# Altium PCB DL-5新款球锁 - 拼板-20201231.PcbDoc (part 5 of 9) (continued)
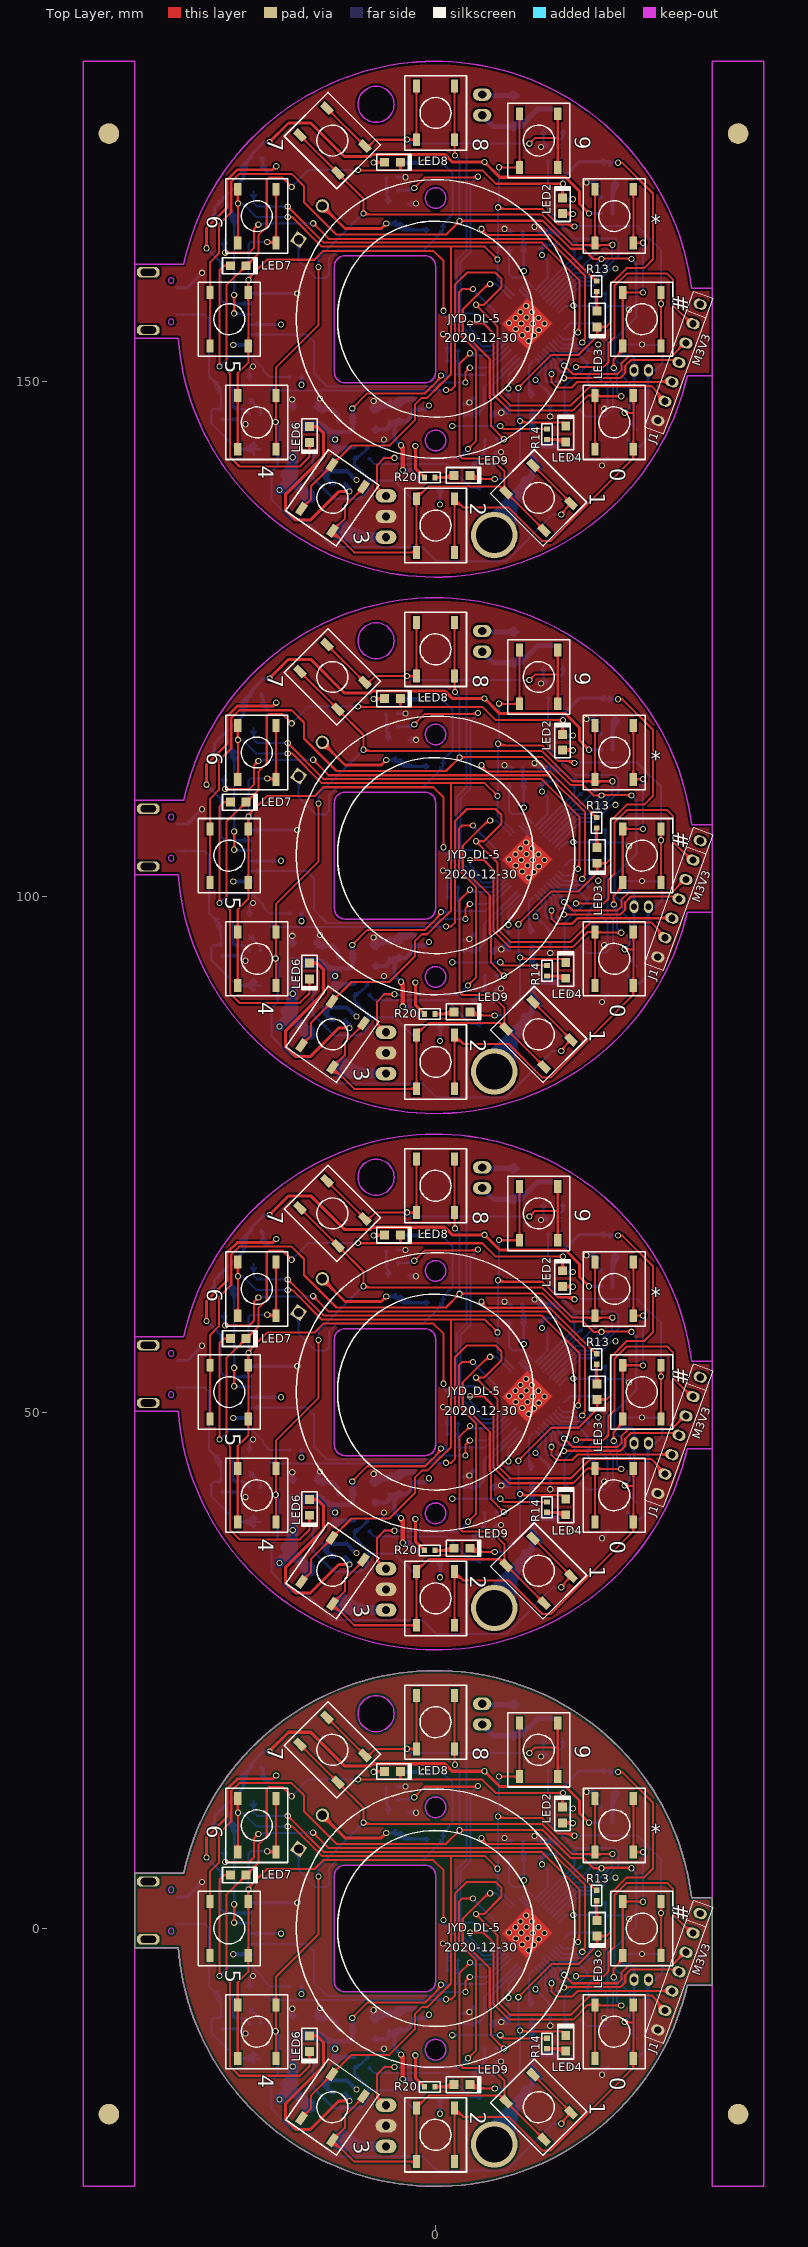
[diagram p0: Top Layer view]
## Nets (pads, with @x,y where several pads share a name; then routed paths per layer and width w, separated by ;. In a path a pad name is that pad's centre, name@x,y a point inside that pad or via, vN(x,y) a via of type N, cw(c..) or ccw(c..) an arc to the next point about the centre after c; other vN are vias at no path point) (continued)
  Bottom Layer w0.4: v2(-19.613,-2.5) J3.1@-17.904,-2.5 ; v2(-19.613,49.5) J3.1@-17.904,49.5 ; v2(-19.613,101.5) J3.1@-17.904,101.5 ; v2(-19.613,153.5) J3.1@-17.904,153.5 ; U3.2@-5.999,-10.704 -4.778,-10.704 C4.1@-3.967,-9.892 ; U3.2@-5.999,41.296 -4.778,41.296 C4.1@-3.967,42.108 ; U3.2@-5.999,93.296 -4.778,93.296 C4.1@-3.967,94.108 ; U3.2@-5.999,145.296 -4.778,145.296 C4.1@-3.967,146.108 ; U3.2@-5.817,-10.885 cw(c-5.378,-11.325) -5.378,-10.704 cw(c-5.378,-10.083) U3.2@-5.817,-10.522 ; U3.2@-5.817,41.115 cw(c-5.378,40.675) -5.378,41.296 cw(c-5.378,41.917) U3.2@-5.817,41.478 ; U3.2@-5.817,93.115 cw(c-5.378,92.675) -5.378,93.296 cw(c-5.378,93.917) U3.2@-5.817,93.478 ; U3.2@-5.817,145.115 cw(c-5.378,144.675) -5.378,145.296 cw(c-5.378,145.917) U3.2@-5.817,145.478 ; -4.778,-10.704 ccw(c-5.51,-9.972) C4.1@-4.477,-9.91 ; -4.778,41.296 ccw(c-5.51,42.028) C4.1@-4.477,42.09 ; -4.778,93.296 ccw(c-5.51,94.028) C4.1@-4.477,94.09 ; -4.778,145.296 ccw(c-5.51,146.028) C4.1@-4.477,146.09 ; C4.1@-4.185,-10.11 cw(c-4.71,-10.636) -3.967,-10.636 cw(c-3.223,-10.636) C4.1@-3.749,-10.11 ; C4.1@-4.185,41.89 cw(c-4.71,41.364) -3.967,41.364 cw(c-3.223,41.364) C4.1@-3.749,41.89 ; C4.1@-4.185,93.89 cw(c-4.71,93.364) -3.967,93.364 cw(c-3.223,93.364) C4.1@-3.749,93.89 ; C4.1@-4.185,145.89 cw(c-4.71,145.364) -3.967,145.364 cw(c-3.223,145.364) C4.1@-3.749,145.89 ; C4.1@-3.546,-10.11 cw(c-3.02,-10.636) -3.02,-9.892 cw(c-3.02,-9.148) C4.1@-3.546,-9.674 ; C4.1@-3.546,41.89 cw(c-3.02,41.364) -3.02,42.108 cw(c-3.02,42.852) C4.1@-3.546,42.326 ; C4.1@-3.546,93.89 cw(c-3.02,93.364) -3.02,94.108 cw(c-3.02,94.852) C4.1@-3.546,94.326 ; C4.1@-3.546,145.89 cw(c-3.02,145.364) -3.02,146.108 cw(c-3.02,146.852) C4.1@-3.546,146.326 ; v2(-3.357,-12.217) -3.967,-11.608 C4.1@-3.967,-9.892 ; v2(-3.357,39.783) -3.967,40.392 C4.1@-3.967,42.108 ; v2(-3.357,91.783) -3.967,92.392 C4.1@-3.967,94.108 ; v2(-3.357,143.783) -3.967,144.392 C4.1@-3.967,146.108 ; v2(-3.179,-14.605) -2.483,-14.605 Q2.S@-1.579,-15.509 ; v2(-3.179,37.395) -2.483,37.395 Q2.S@-1.579,36.491 ; v2(-3.179,89.395) -2.483,89.395 Q2.S@-1.579,88.491 ; v2(-3.179,141.395) -2.483,141.395 Q2.S@-1.579,140.491 ; -2.528,-9.61 ccw(c-3.401,-8.738) C5.1@-2.167,-8.738 ; -2.528,42.39 ccw(c-3.401,43.262) C5.1@-2.167,43.262 ; -2.528,94.39 ccw(c-3.401,95.262) C5.1@-2.167,95.262 ; -2.528,146.39 ccw(c-3.401,147.262) C5.1@-2.167,147.262 ; Q2.S@-1.836,-15.509 ccw(c-2.457,-15.509) -2.018,-15.07 ccw(c-1.579,-14.631) Q2.S@-1.579,-15.252 ; Q2.S@-1.836,36.491 ccw(c-2.457,36.491) -2.018,36.93 ccw(c-1.579,37.369) Q2.S@-1.579,36.748 ; Q2.S@-1.836,88.491 ccw(c-2.457,88.491) -2.018,88.93 ccw(c-1.579,89.369) Q2.S@-1.579,88.748 ; Q2.S@-1.836,140.491 ccw(c-2.457,140.491) -2.018,140.93 ccw(c-1.579,141.369) Q2.S@-1.579,140.748 ; v1(-0.639,-8.357) -1.02,-8.738 C5.1@-2.087,-8.738 -2.087,-9.169 -2.81,-9.892 C4.1@-3.967,-9.892 ; v1(-0.639,43.643) -1.02,43.262 C5.1@-2.087,43.262 -2.087,42.831 -2.81,42.108 C4.1@-3.967,42.108 ; v1(-0.639,95.643) -1.02,95.262 C5.1@-2.087,95.262 -2.087,94.831 -2.81,94.108 C4.1@-3.967,94.108 ; v1(-0.639,147.643) -1.02,147.262 C5.1@-2.087,147.262 -2.087,146.831 -2.81,146.108 C4.1@-3.967,146.108
NetBZ1_1: BZ1.1 C7.2 R47.1 | length 129.6
  Bottom Layer w0.2: BZ1.1@-13.621,7.355 cw(c-14.474,6.502) -13.267,6.502 cw(c-12.06,6.502) BZ1.1@-12.914,7.355 ; BZ1.1@-13.621,59.355 cw(c-14.474,58.502) -13.267,58.502 cw(c-12.06,58.502) BZ1.1@-12.914,59.355 ; BZ1.1@-13.621,111.355 cw(c-14.474,110.502) -13.267,110.502 cw(c-12.06,110.502) BZ1.1@-12.914,111.355 ; BZ1.1@-13.621,163.355 cw(c-14.474,162.502) -13.267,162.502 cw(c-12.06,162.502) BZ1.1@-12.914,163.355 ; BZ1.1@-13.479,7.497 cw(c-13.992,6.985) -13.267,6.985 cw(c-12.543,6.985) BZ1.1@-13.055,7.497 ; BZ1.1@-13.479,59.497 cw(c-13.992,58.985) -13.267,58.985 cw(c-12.543,58.985) BZ1.1@-13.055,59.497 ; BZ1.1@-13.479,111.497 cw(c-13.992,110.985) -13.267,110.985 cw(c-12.543,110.985) BZ1.1@-13.055,111.497 ; BZ1.1@-13.479,163.497 cw(c-13.992,162.985) -13.267,162.985 cw(c-12.543,162.985) BZ1.1@-13.055,163.497 ; BZ1.1@-13.267,7.709 -13.267,5.668 -11.612,4.013 -10.647,4.013 -10.317,4.343 -10.317,5.867 -9.529,6.655 -1.189,6.655 0.681,8.526 C7.2@0.681,8.661 ; BZ1.1@-13.267,59.709 -13.267,57.668 -11.612,56.013 -10.647,56.013 -10.317,56.343 -10.317,57.867 -9.529,58.655 -1.189,58.655 0.681,60.526 C7.2@0.681,60.661 ; BZ1.1@-13.267,111.709 -13.267,109.668 -11.612,108.013 -10.647,108.013 -10.317,108.343 -10.317,109.867 -9.529,110.655 -1.189,110.655 0.681,112.526 C7.2@0.681,112.661 ; BZ1.1@-13.267,163.709 -13.267,161.668 -11.612,160.013 -10.647,160.013 -10.317,160.343 -10.317,161.867 -9.529,162.655 -1.189,162.655 0.681,164.526 C7.2@0.681,164.661 ; 0.195,8.039 ccw(c-0.377,8.611) C7.2@0.432,8.611 ; 0.195,60.039 ccw(c-0.377,60.611) C7.2@0.432,60.611 ; 0.195,112.039 ccw(c-0.377,112.611) C7.2@0.432,112.611 ; 0.195,164.039 ccw(c-0.377,164.611) C7.2@0.432,164.611 ; 0.28,8.124 cw(c0.732,7.672) C7.2@0.732,8.311 ; 0.28,60.124 cw(c0.732,59.672) C7.2@0.732,60.311 ; 0.28,112.124 cw(c0.732,111.672) C7.2@0.732,112.311 ; 0.28,164.124 cw(c0.732,163.672) C7.2@0.732,164.311 ; C7.2@0.566,8.961 ccw(c0.36,9.271) 0.732,9.271 ; C7.2@0.566,60.961 ccw(c0.36,61.271) 0.732,61.271 ; C7.2@0.566,112.961 ccw(c0.36,113.271) 0.732,113.271 ; C7.2@0.566,164.961 ccw(c0.36,165.271) 0.732,165.271 ; R47.1@0.605,15.01 cw(c0.605,14.577) 0.912,14.883 ; R47.1@0.605,15.189 1.647,14.148 1.647,10.185 0.732,9.271 ; R47.1@0.605,67.01 cw(c0.605,66.577) 0.912,66.883 ; R47.1@0.605,67.189 1.647,66.148 1.647,62.185 0.732,61.271 ; R47.1@0.605,119.01 cw(c0.605,118.577) 0.912,118.883 ; R47.1@0.605,119.189 1.647,118.148 1.647,114.185 0.732,113.271 ; R47.1@0.605,171.01 cw(c0.605,170.577) 0.912,170.883 ; R47.1@0.605,171.189 1.647,170.148 1.647,166.185 0.732,165.271 ; C7.2@0.732,8.661 0.732,9.271 ; C7.2@0.732,60.661 0.732,61.271 ; C7.2@0.732,112.661 0.732,113.271 ; C7.2@0.732,164.661 0.732,165.271 ; R47.1@0.759,15.164 ccw(c1.07,15.164) R47.1@0.85,14.944 ; R47.1@0.759,67.164 ccw(c1.07,67.164) R47.1@0.85,66.944 ; R47.1@0.759,119.164 ccw(c1.07,119.164) R47.1@0.85,118.944 ; R47.1@0.759,171.164 ccw(c1.07,171.164) R47.1@0.85,170.944 ; C7.2@0.898,8.961 cw(c1.104,9.271) 0.732,9.271 ; C7.2@0.898,60.961 cw(c1.104,61.271) 0.732,61.271 ; C7.2@0.898,112.961 cw(c1.104,113.271) 0.732,113.271 ; C7.2@0.898,164.961 cw(c1.104,165.271) 0.732,165.271
NetBZ1_2: BZ1.2 C7.1 T1.3 | length 82.7
  Top Layer w0.3: BZ1.2@-10.973,10.486 cw(c-10.973,9.278) -10.119,10.132 cw(c-9.266,10.986) BZ1.2@-10.473,10.986 ; BZ1.2@-10.973,10.986 -8.776,8.788 -5.262,8.788 v1(-4.78,9.271) ; BZ1.2@-10.973,62.486 cw(c-10.973,61.278) -10.119,62.132 cw(c-9.266,62.986) BZ1.2@-10.473,62.986 ; BZ1.2@-10.973,62.986 -8.776,60.788 -5.262,60.788 v1(-4.78,61.271) ; BZ1.2@-10.973,114.486 cw(c-10.973,113.278) -10.119,114.132 cw(c-9.266,114.986) BZ1.2@-10.473,114.986 ; BZ1.2@-10.973,114.986 -8.776,112.788 -5.262,112.788 v1(-4.78,113.271) ; BZ1.2@-10.973,166.486 cw(c-10.973,165.278) -10.119,166.132 cw(c-9.266,166.986) BZ1.2@-10.473,166.986 ; BZ1.2@-10.973,166.986 -8.776,164.788 -5.262,164.788 v1(-4.78,165.271) ; v1@-4.93,9.271 cw(c-5.292,9.271) -5.036,9.015 cw(c-4.78,8.759) v1@-4.78,9.121 ; v1@-4.93,61.271 cw(c-5.292,61.271) -5.036,61.015 cw(c-4.78,60.759) v1@-4.78,61.121 ; v1@-4.93,113.271 cw(c-5.292,113.271) -5.036,113.015 cw(c-4.78,112.759) v1@-4.78,113.121 ; v1@-4.93,165.271 cw(c-5.292,165.271) -5.036,165.015 cw(c-4.78,164.759) v1@-4.78,165.121
  Bottom Layer w0.3: v1(-4.78,9.271) -3.713,9.271 T1.3@-3.637,9.195 -3.103,8.661 ; v1(-4.78,61.271) -3.713,61.271 T1.3@-3.637,61.195 -3.103,60.661 ; v1(-4.78,113.271) -3.713,113.271 T1.3@-3.637,113.195 -3.103,112.661 ; v1(-4.78,165.271) -3.713,165.271 T1.3@-3.637,165.195 -3.103,164.661 ; v1@-4.673,9.165 cw(c-4.417,8.909) -4.417,9.271 cw(c-4.417,9.633) v1@-4.673,9.377 ; v1@-4.673,61.165 cw(c-4.417,60.909) -4.417,61.271 cw(c-4.417,61.633) v1@-4.673,61.377 ; v1@-4.673,113.165 cw(c-4.417,112.909) -4.417,113.271 cw(c-4.417,113.633) v1@-4.673,113.377 ; v1@-4.673,165.165 cw(c-4.417,164.909) -4.417,165.271 cw(c-4.417,165.633) v1@-4.673,165.377 ; -4.418,9.271 ccw(c-4.418,10.069) T1.3@-3.854,9.505 ; -4.418,61.271 ccw(c-4.418,62.069) T1.3@-3.854,61.505 ; -4.418,113.271 ccw(c-4.418,114.069) T1.3@-3.854,113.505 ; -4.418,165.271 ccw(c-4.418,166.069) T1.3@-3.854,165.505 ; -4.338,9.271 cw(c-4.338,8.586) T1.3@-3.854,9.07 ; -4.338,61.271 cw(c-4.338,60.586) T1.3@-3.854,61.07 ; -4.338,113.271 cw(c-4.338,112.586) T1.3@-3.854,113.07 ; -4.338,165.271 cw(c-4.338,164.586) T1.3@-3.854,165.07 ; T1.3@-3.631,9.107 ccw(c-2.555,10.183) -2.555,8.661 ; T1.3@-3.631,61.107 ccw(c-2.555,62.183) -2.555,60.661 ; T1.3@-3.631,113.107 ccw(c-2.555,114.183) -2.555,112.661 ; T1.3@-3.631,165.107 ccw(c-2.555,166.183) -2.555,164.661 ; T1.3@-3.573,8.801 cw(c-3.468,8.297) -3.103,8.661 ; T1.3@-3.573,60.801 cw(c-3.468,60.297) -3.103,60.661 ; T1.3@-3.573,112.801 cw(c-3.468,112.297) -3.103,112.661 ; T1.3@-3.573,164.801 cw(c-3.468,164.297) -3.103,164.661 ; T1.3@-3.419,9.319 ccw(c-1.831,10.907) -1.831,8.661 ; T1.3@-3.419,61.319 ccw(c-1.831,62.907) -1.831,60.661 ; T1.3@-3.419,113.319 ccw(c-1.831,114.907) -1.831,112.661 ; T1.3@-3.419,165.319 ccw(c-1.831,166.907) -1.831,164.661 ; T1.3@-3.329,9.102 ccw(c-2.812,9.102) -3.178,8.736 ; T1.3@-3.329,61.102 ccw(c-2.812,61.102) -3.178,60.736 ; T1.3@-3.329,113.102 ccw(c-2.812,113.102) -3.178,112.736 ; T1.3@-3.329,165.102 ccw(c-2.812,165.102) -3.178,164.736 ; C7.1@-0.867,8.485 ccw(c-1.294,8.058) -1.294,8.661 ccw(c-1.294,9.265) C7.1@-0.867,8.838 ; C7.1@-0.867,60.485 ccw(c-1.294,60.058) -1.294,60.661 ccw(c-1.294,61.265) C7.1@-0.867,60.838 ; C7.1@-0.867,112.485 ccw(c-1.294,112.058) -1.294,112.661 ccw(c-1.294,113.265) C7.1@-0.867,112.838 ; C7.1@-0.867,164.485 ccw(c-1.294,164.058) -1.294,164.661 ccw(c-1.294,165.265) C7.1@-0.867,164.838 ; C7.1@-0.69,8.661 -3.103,8.661 ; C7.1@-0.69,60.661 -3.103,60.661 ; C7.1@-0.69,112.661 -3.103,112.661 ; C7.1@-0.69,164.661 -3.103,164.661
NetC1_1: C1.1 U1.37 | length 14.9
  Bottom Layer w0.2: U1.37@12.517,-0.952 13.063,-0.406 C1.1@15.439,-0.406 ; U1.37@12.517,51.048 13.063,51.594 C1.1@15.439,51.594 ; U1.37@12.517,103.048 13.063,103.594 C1.1@15.439,103.594 ; U1.37@12.517,155.048 13.063,155.594 C1.1@15.439,155.594 ; C1.1@15.33,-0.515 ccw(c15.067,-0.778) 15.067,-0.406 ccw(c15.067,-0.035) C1.1@15.33,-0.298 ; C1.1@15.33,51.485 ccw(c15.067,51.222) 15.067,51.594 ccw(c15.067,51.965) C1.1@15.33,51.702 ; C1.1@15.33,103.485 ccw(c15.067,103.222) 15.067,103.594 ccw(c15.067,103.965) C1.1@15.33,103.702 ; C1.1@15.33,155.485 ccw(c15.067,155.222) 15.067,155.594 ccw(c15.067,155.965) C1.1@15.33,155.702
NetC20_2: C20.2 RW2.2 RW3.2 | length 27.8
  Bottom Layer w0.2: C20.2@-19.851,-6.739 cw(c-20.363,-7.251) -19.639,-7.251 cw(c-18.914,-7.251) C20.2@-19.426,-6.739 ; C20.2@-19.851,45.261 cw(c-20.363,44.749) -19.639,44.749 cw(c-18.914,44.749) C20.2@-19.426,45.261 ; C20.2@-19.851,97.261 cw(c-20.363,96.749) -19.639,96.749 cw(c-18.914,96.749) C20.2@-19.426,97.261 ; C20.2@-19.851,149.261 cw(c-20.363,148.749) -19.639,148.749 cw(c-18.914,148.749) C20.2@-19.426,149.261 ; -19.639,-8.008 ccw(c-18.833,-8.008) RW2.2@-19.403,-8.578 ; C20.2@-19.639,-6.477 -19.639,-8.534 RW2.2@-19.486,-8.687 -18.572,-8.687 RW3.2@-17.988,-9.271 ; -19.639,43.992 ccw(c-18.833,43.992) RW2.2@-19.403,43.422 ; C20.2@-19.639,45.523 -19.639,43.466 RW2.2@-19.486,43.313 -18.572,43.313 RW3.2@-17.988,42.729 ; -19.639,95.992 ccw(c-18.833,95.992) RW2.2@-19.403,95.422 ; C20.2@-19.639,97.523 -19.639,95.466 RW2.2@-19.486,95.313 -18.572,95.313 RW3.2@-17.988,94.729 ; -19.639,147.992 ccw(c-18.833,147.992) RW2.2@-19.403,147.422 ; C20.2@-19.639,149.523 -19.639,147.466 RW2.2@-19.486,147.313 -18.572,147.313 RW3.2@-17.988,146.729 ; RW2.2@-19.352,-8.796 cw(c-19.089,-9.059) -19.089,-8.687 cw(c-19.089,-8.315) RW2.2@-19.352,-8.578 ; RW2.2@-19.352,43.204 cw(c-19.089,42.941) -19.089,43.313 cw(c-19.089,43.685) RW2.2@-19.352,43.422 ; RW2.2@-19.352,95.204 cw(c-19.089,94.941) -19.089,95.313 cw(c-19.089,95.685) RW2.2@-19.352,95.422 ; RW2.2@-19.352,147.204 cw(c-19.089,146.941) -19.089,147.313 cw(c-19.089,147.685) RW2.2@-19.352,147.422 ; -18.294,-8.965 ccw(c-17.988,-8.658) RW3.2@-17.988,-9.092 ; -18.294,43.035 ccw(c-17.988,43.342) RW3.2@-17.988,42.908 ; -18.294,95.035 ccw(c-17.988,95.342) RW3.2@-17.988,94.908 ; -18.294,147.035 ccw(c-17.988,147.342) RW3.2@-17.988,146.908 ; RW3.2@-18.232,-9.026 cw(c-18.452,-9.246) RW3.2@-18.142,-9.246 ; RW3.2@-18.232,42.974 cw(c-18.452,42.754) RW3.2@-18.142,42.754 ; RW3.2@-18.232,94.974 cw(c-18.452,94.754) RW3.2@-18.142,94.754 ; RW3.2@-18.232,146.974 cw(c-18.452,146.754) RW3.2@-18.142,146.754
NetC30_1: C30.1 L2.1 | length 7.4
  Bottom Layer w0.6: C30.1@9.368,-10.77 L2.1@9.368,-8.915 ; C30.1@9.368,41.23 L2.1@9.368,43.085 ; C30.1@9.368,93.23 L2.1@9.368,95.085 ; C30.1@9.368,145.23 L2.1@9.368,147.085
NetC34_1: C34.1 U1.29 | length 29.3
  Bottom Layer w0.2: U1.29@10.537,2.018 13.549,5.029 14.169,5.029 15.493,6.354 C34.1@15.493,6.448 ; U1.29@10.537,54.018 13.549,57.029 14.169,57.029 15.493,58.354 C34.1@15.493,58.448 ; U1.29@10.537,106.018 13.549,109.029 14.169,109.029 15.493,110.354 C34.1@15.493,110.448 ; U1.29@10.537,158.018 13.549,161.029 14.169,161.029 15.493,162.354 C34.1@15.493,162.448 ; 15.146,6.006 ccw(c14.722,6.43) C34.1@15.321,6.43 ; 15.146,58.006 ccw(c14.722,58.43) C34.1@15.321,58.43 ; 15.146,110.006 ccw(c14.722,110.43) C34.1@15.321,110.43 ; 15.146,162.006 ccw(c14.722,162.43) C34.1@15.321,162.43
NetC37_1: C37.1 U1.28 | length 24.2
  Bottom Layer w0.2: U1.28@10.255,2.301 14.021,6.067 C37.1@14.172,6.067 ; U1.28@10.255,54.301 14.021,58.067 C37.1@14.172,58.067 ; U1.28@10.255,106.301 14.021,110.067 C37.1@14.172,110.067 ; U1.28@10.255,158.301 14.021,162.067 C37.1@14.172,162.067 ; 13.633,5.679 cw(c14.155,5.158) C37.1@14.155,5.895 ; 13.633,57.679 cw(c14.155,57.158) C37.1@14.155,57.895 ; 13.633,109.679 cw(c14.155,109.158) C37.1@14.155,109.895 ; 13.633,161.679 cw(c14.155,161.158) C37.1@14.155,161.895
NetC37_2: C37.2 U1.27 | length 24.9
  Bottom Layer w0.2: U1.27@9.972,2.583 13.454,6.066 C37.2@13.454,6.785 ; U1.27@9.972,54.583 13.454,58.066 C37.2@13.454,58.785 ; U1.27@9.972,106.583 13.454,110.066 C37.2@13.454,110.785 ; U1.27@9.972,158.583 13.454,162.066 C37.2@13.454,162.785 ; C37.2@13.327,6.659 cw(c13.021,6.352) 13.454,6.352 ; C37.2@13.327,58.659 cw(c13.021,58.352) 13.454,58.352 ; C37.2@13.327,110.659 cw(c13.021,110.352) 13.454,110.352 ; C37.2@13.327,162.659 cw(c13.021,162.352) 13.454,162.352 ; C37.2@13.454,6.439 cw(c13.765,6.439) C37.2@13.545,6.659 ; C37.2@13.454,58.439 cw(c13.765,58.439) C37.2@13.545,58.659 ; C37.2@13.454,110.439 cw(c13.765,110.439) C37.2@13.545,110.659 ; C37.2@13.454,162.439 cw(c13.765,162.439) C37.2@13.545,162.659
NetC38_2: C38.2 U1.3 X1.3 | length 46.6
  Bottom Layer w0.2: C38.2@2.561,-9.246 4.006,-9.246 4.72,-8.531 4.72,-6.628 U1.3@7.85,-3.498 ; C38.2@2.561,42.754 4.006,42.754 4.72,43.469 4.72,45.372 U1.3@7.85,48.502 ; C38.2@2.561,94.754 4.006,94.754 4.72,95.469 4.72,97.372 U1.3@7.85,100.502 ; C38.2@2.561,146.754 4.006,146.754 4.72,147.469 4.72,149.372 U1.3@7.85,152.502 ; C38.2@2.695,-9.354 cw(c2.958,-9.617) 2.958,-9.246 cw(c2.958,-8.874) C38.2@2.695,-9.137 ; C38.2@2.695,42.646 cw(c2.958,42.383) 2.958,42.754 cw(c2.958,43.126) C38.2@2.695,42.863 ; C38.2@2.695,94.646 cw(c2.958,94.383) 2.958,94.754 cw(c2.958,95.126) C38.2@2.695,94.863 ; C38.2@2.695,146.646 cw(c2.958,146.383) 2.958,146.754 cw(c2.958,147.126) C38.2@2.695,146.863 ; 3.194,-9.246 cw(c3.194,-10.007) X1.3@3.733,-9.469 ; 3.194,42.754 cw(c3.194,41.993) X1.3@3.733,42.531 ; 3.194,94.754 cw(c3.194,93.993) X1.3@3.733,94.531 ; 3.194,146.754 cw(c3.194,145.993) X1.3@3.733,146.531 ; 3.247,-9.246 ccw(c3.247,-8.559) X1.3@3.733,-9.044 ; 3.247,42.754 ccw(c3.247,43.441) X1.3@3.733,42.956 ; 3.247,94.754 ccw(c3.247,95.441) X1.3@3.733,94.956 ; 3.247,146.754 ccw(c3.247,147.441) X1.3@3.733,146.956 ; X1.3@3.945,-8.957 ccw(c3.945,-8.112) 4.542,-8.709 ; X1.3@3.945,43.043 ccw(c3.945,43.888) 4.542,43.291 ; X1.3@3.945,95.043 ccw(c3.945,95.888) 4.542,95.291 ; X1.3@3.945,147.043 ccw(c3.945,147.888) 4.542,147.291 ; X1.3@4.245,-9.257 cw(c4.848,-9.257) 4.421,-8.83 ; X1.3@4.245,42.743 cw(c4.848,42.743) 4.421,43.17 ; X1.3@4.245,94.743 cw(c4.848,94.743) 4.421,95.17 ; X1.3@4.245,146.743 cw(c4.848,146.743) 4.421,147.17
NetC43_1: C43.1 UB1.1 Y2.2 | length 48
  Bottom Layer w0.254: C43.1@17.928,-3.48 18.969,-3.48 19.246,-3.756 Y2.2@19.246,-4.953 19.246,-10.485 UB1.1@19.463,-10.702 ; C43.1@17.928,48.52 18.969,48.52 19.246,48.244 Y2.2@19.246,47.047 19.246,41.515 UB1.1@19.463,41.298 ; C43.1@17.928,100.52 18.969,100.52 19.246,100.244 Y2.2@19.246,99.047 19.246,93.515 UB1.1@19.463,93.298 ; C43.1@17.928,152.52 18.969,152.52 19.246,152.244 Y2.2@19.246,151.047 19.246,145.515 UB1.1@19.463,145.298 ; C43.1@18.043,-3.57 cw(c18.26,-3.786) 18.26,-3.48 cw(c18.26,-3.173) C43.1@18.043,-3.39 ; C43.1@18.043,48.43 cw(c18.26,48.214) 18.26,48.52 cw(c18.26,48.827) C43.1@18.043,48.61 ; C43.1@18.043,100.43 cw(c18.26,100.214) 18.26,100.52 cw(c18.26,100.827) C43.1@18.043,100.61 ; C43.1@18.043,152.43 cw(c18.26,152.214) 18.26,152.52 cw(c18.26,152.827) C43.1@18.043,152.61 ; Y2.2@19.017,-5.331 cw(c18.466,-5.883) 19.246,-5.883 cw(c20.026,-5.883) Y2.2@19.474,-5.331 ; Y2.2@19.017,-4.575 ccw(c18.466,-4.023) 19.246,-4.023 ccw(c20.026,-4.023) Y2.2@19.474,-4.575 ; Y2.2@19.017,46.669 cw(c18.466,46.117) 19.246,46.117 cw(c20.026,46.117) Y2.2@19.474,46.669 ; Y2.2@19.017,47.425 ccw(c18.466,47.977) 19.246,47.977 ccw(c20.026,47.977) Y2.2@19.474,47.425 ; Y2.2@19.017,98.669 cw(c18.466,98.117) 19.246,98.117 cw(c20.026,98.117) Y2.2@19.474,98.669 ; Y2.2@19.017,99.425 ccw(c18.466,99.977) 19.246,99.977 ccw(c20.026,99.977) Y2.2@19.474,99.425 ; Y2.2@19.017,150.669 cw(c18.466,150.117) 19.246,150.117 cw(c20.026,150.117) Y2.2@19.474,150.669 ; Y2.2@19.017,151.425 ccw(c18.466,151.977) 19.246,151.977 ccw(c20.026,151.977) Y2.2@19.474,151.425 ; UB1.1@19.022,-10.262 ccw(c18.482,-9.721) 19.246,-9.721 ; UB1.1@19.022,41.738 ccw(c18.482,42.279) 19.246,42.279 ; UB1.1@19.022,93.738 ccw(c18.482,94.279) 19.246,94.279 ; UB1.1@19.022,145.738 ccw(c18.482,146.279) 19.246,146.279
NetC45_2: C45.2 UB1.2 Y2.1 | length 60.9
  Bottom Layer w0.254: UB1.2@18.565,-11.6 19.309,-12.344 19.833,-12.344 20.824,-11.354 20.824,-10.35 20.589,-10.115 20.589,-5.01 Y2.1@20.646,-4.953 21.306,-4.953 ; UB1.2@18.565,40.4 19.309,39.656 19.833,39.656 20.824,40.646 20.824,41.65 20.589,41.885 20.589,46.99 Y2.1@20.646,47.047 21.306,47.047 ; UB1.2@18.565,92.4 19.309,91.656 19.833,91.656 20.824,92.646 20.824,93.65 20.589,93.885 20.589,98.99 Y2.1@20.646,99.047 21.306,99.047 ; UB1.2@18.565,144.4 19.309,143.656 19.833,143.656 20.824,144.646 20.824,145.65 20.589,145.885 20.589,150.99 Y2.1@20.646,151.047 21.306,151.047 ; UB1.2@18.883,-12.091 cw(c18.883,-12.509) 19.178,-12.214 cw(c19.473,-11.918) UB1.2@19.056,-11.918 ; UB1.2@18.883,39.909 cw(c18.883,39.491) 19.178,39.786 cw(c19.473,40.082) UB1.2@19.056,40.082 ; UB1.2@18.883,91.909 cw(c18.883,91.491) 19.178,91.786 cw(c19.473,92.082) UB1.2@19.056,92.082 ; UB1.2@18.883,143.909 cw(c18.883,143.491) 19.178,143.786 cw(c19.473,144.082) UB1.2@19.056,144.082 ; Y2.1@20.417,-5.331 cw(c20.004,-5.745) 20.589,-5.745 ; Y2.1@20.417,46.669 cw(c20.004,46.255) 20.589,46.255 ; Y2.1@20.417,98.669 cw(c20.004,98.255) 20.589,98.255 ; Y2.1@20.417,150.669 cw(c20.004,150.255) 20.589,150.255 ; 20.589,-6.02 cw(c21.563,-6.02) Y2.1@20.874,-5.331 ; 20.589,45.98 cw(c21.563,45.98) Y2.1@20.874,46.669 ; 20.589,97.98 cw(c21.563,97.98) Y2.1@20.874,98.669 ; 20.589,149.98 cw(c21.563,149.98) Y2.1@20.874,150.669 ; Y2.1@20.901,-5.151 cw(c21.306,-5.467) 21.306,-4.953 ; Y2.1@20.901,-4.755 ccw(c21.306,-4.439) 21.306,-4.953 ; Y2.1@20.901,46.849 cw(c21.306,46.533) 21.306,47.047 ; Y2.1@20.901,47.245 ccw(c21.306,47.561) 21.306,47.047 ; Y2.1@20.901,98.849 cw(c21.306,98.533) 21.306,99.047 ; Y2.1@20.901,99.245 ccw(c21.306,99.561) 21.306,99.047 ; Y2.1@20.901,150.849 cw(c21.306,150.533) 21.306,151.047 ; Y2.1@20.901,151.245 ccw(c21.306,151.561) 21.306,151.047 ; C45.2@21.902,-3.57 cw(c21.685,-3.786) 21.992,-3.786 cw(c22.299,-3.786) C45.2@22.082,-3.57 ; C45.2@21.902,48.43 cw(c21.685,48.214) 21.992,48.214 cw(c22.299,48.214) C45.2@22.082,48.43 ; C45.2@21.902,100.43 cw(c21.685,100.214) 21.992,100.214 cw(c22.299,100.214) C45.2@22.082,100.43 ; C45.2@21.902,152.43 cw(c21.685,152.214) 21.992,152.214 cw(c22.299,152.214) C45.2@22.082,152.43 ; C45.2@21.992,-3.48 21.992,-4.267 21.306,-4.953 ; C45.2@21.992,48.52 21.992,47.733 21.306,47.047 ; C45.2@21.992,100.52 21.992,99.733 21.306,99.047 ; C45.2@21.992,152.52 21.992,151.733 21.306,151.047
NetD1_1: D1.1 P3.1 | length 36.1
  Bottom Layer w1: D1.1@-9.662,-20.705 ccw(c-8.646,-19.689) -8.646,-21.126 ; D1.1@-9.662,31.295 ccw(c-8.646,32.311) -8.646,30.874 ; D1.1@-9.662,83.295 ccw(c-8.646,84.311) -8.646,82.874 ; D1.1@-9.662,135.295 ccw(c-8.646,136.311) -8.646,134.874 ; D1.1@-9.309,-20.21 -8.393,-21.126 P3.1@-4.805,-21.126 ; D1.1@-9.309,31.79 -8.393,30.874 P3.1@-4.805,30.874 ; D1.1@-9.309,83.79 -8.393,82.874 P3.1@-4.805,82.874 ; D1.1@-9.309,135.79 -8.393,134.874 P3.1@-4.805,134.874 ; D1.1@-8.955,-19.998 ccw(c-6.232,-17.275) -6.232,-21.126 ; D1.1@-8.955,32.002 ccw(c-6.232,34.725) -6.232,30.874 ; D1.1@-8.955,84.002 ccw(c-6.232,86.725) -6.232,82.874 ; D1.1@-8.955,136.002 ccw(c-6.232,138.725) -6.232,134.874
NetD3_1: D3.1 P1.1 Q1.C | length 47.7
  Bottom Layer w0.5: P1.1@4.517,19.427 cw(c4.517,18.582) 5.114,19.18 cw(c5.712,19.777) P1.1@4.867,19.777 ; P1.1@4.517,19.777 5.601,18.693 D3.1@7.87,18.693 8.224,18.693 9.902,20.371 Q1.C@11.4,20.371 ; P1.1@4.517,71.427 cw(c4.517,70.582) 5.114,71.18 cw(c5.712,71.777) P1.1@4.867,71.777 ; P1.1@4.517,71.777 5.601,70.693 D3.1@7.87,70.693 8.224,70.693 9.902,72.371 Q1.C@11.4,72.371 ; P1.1@4.517,123.427 cw(c4.517,122.582) 5.114,123.18 cw(c5.712,123.777) P1.1@4.867,123.777 ; P1.1@4.517,123.777 5.601,122.693 D3.1@7.87,122.693 8.224,122.693 9.902,124.371 Q1.C@11.4,124.371 ; P1.1@4.517,175.427 cw(c4.517,174.582) 5.114,175.18 cw(c5.712,175.777) P1.1@4.867,175.777 ; P1.1@4.517,175.777 5.601,174.693 D3.1@7.87,174.693 8.224,174.693 9.902,176.371 Q1.C@11.4,176.371 ; D3.1@7.572,18.446 ccw(c6.975,17.848) 6.975,18.693 ccw(c6.975,19.538) D3.1@7.572,18.94 ; D3.1@7.572,70.446 ccw(c6.975,69.848) 6.975,70.693 ccw(c6.975,71.538) D3.1@7.572,70.94 ; D3.1@7.572,122.446 ccw(c6.975,121.848) 6.975,122.693 ccw(c6.975,123.538) D3.1@7.572,122.94 ; D3.1@7.572,174.446 ccw(c6.975,173.848) 6.975,174.693 ccw(c6.975,175.538) D3.1@7.572,174.941 ; D3.1@7.92,19.043 ccw(c7.92,20.622) 9.036,19.506 ; D3.1@7.92,71.043 ccw(c7.92,72.622) 9.036,71.506 ; D3.1@7.92,123.043 ccw(c7.92,124.622) 9.036,123.506 ; D3.1@7.92,175.043 ccw(c7.92,176.622) 9.036,175.506